# Altium PCB IDC_MCX_Adapter_flex.PCBDOC (part 1 of 4) (continued)
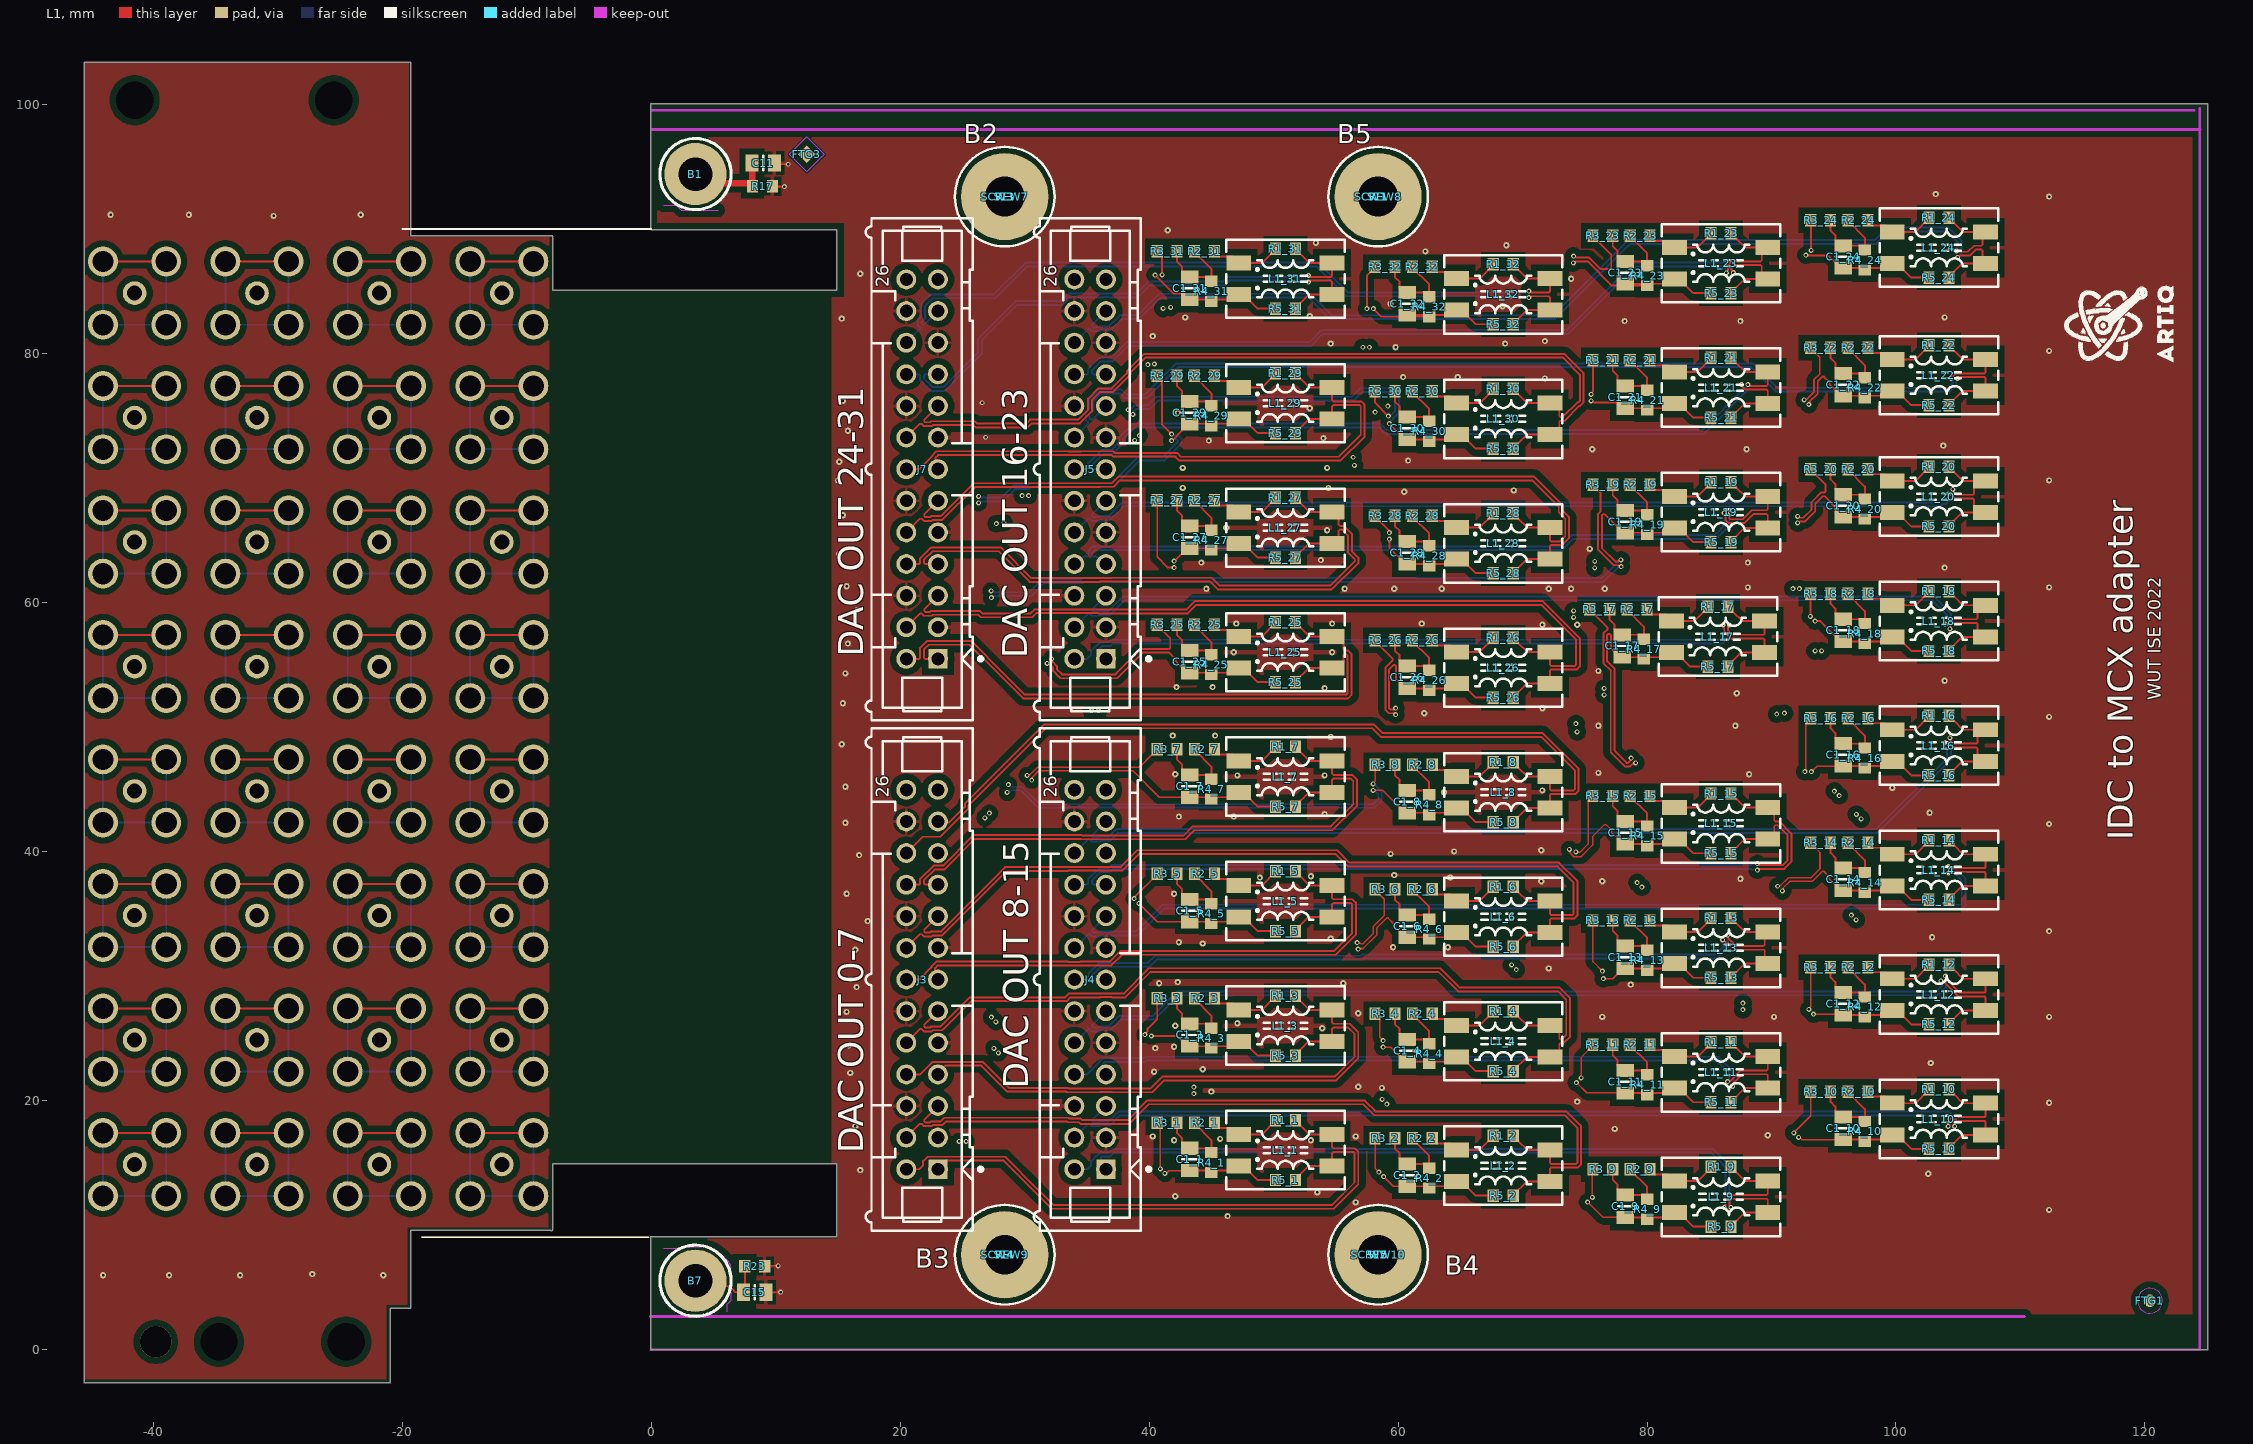
[diagram p0: L1 view]
## Design rules (kind name [scope] priority, off if disabled: settings)
AcuteAngle [All] p1: minimum=4.50000000000000E+0001 checktracksonly=FALSE
Clearance Clearance_diff [(InDifferentialPairClass('All Differential Pairs')) vs (InDifferentialPairClass('All Differential Pairs'))] p1: gap=0.254 ignorepadtopadclearanceinfootprint=FALSE
Clearance [All] p2: gap=0.127 ignorepadtopadclearanceinfootprint=FALSE except(0: Arc-Hole Track-Hole SMDPad-Hole THPad-Hole Via-Hole Fill-Hole Poly-Hole Region-Hole Text-Hole; 0.5: Arc-Poly Track-Poly SMDPad-Poly THPad-Poly Via-Poly Fill-Poly Poly-Poly)
ComponentClearance [All] p1: gap=0.025 collisioncheckmode=3 verticalgap=0.025 showdistances=FALSE
DiffPairsRouting [All] p1: maxlimit=0.152 minlimit=0.127 mostfreqgap=0.152 toplayer_minwidth=0.127 toplayer_maxwidth=0.152 toplayer_prefwidth=0.152 midlayer1_minwidth=0.127 midlayer1_maxwidth=0.152 midlayer1_prefwidth=0.152 midlayer2_minwidth=0.127 midlayer2_maxwidth=0.152 midlayer2_prefwidth=0.152 bottomlayer_minwidth=0.127 bottomlayer_maxwidth=0.152 bottomlayer_prefwidth=0.152 substack1={88852237-8349-4B0E-A64B-F6C4E37CD660} toplayer_{88852237-8349-4b0e-a64b-f6c4e37cd660}_minwidth=0.381 toplayer_{88852237-8349-4b0e-a64b-f6c4e37cd660}_maxwidth=0.381 toplayer_{88852237-8349-4b0e-a64b-f6c4e37cd660}_prefwidth=0.381 midlayer1_{88852237-8349-4b0e-a64b-f6c4e37cd660}_minwidth=0.127 midlayer1_{88852237-8349-4b0e-a64b-f6c4e37cd660}_maxwidth=0.127 midlayer1_{88852237-8349-4b0e-a64b-f6c4e37cd660}_prefwidth=0.127 midlayer2_{88852237-8349-4b0e-a64b-f6c4e37cd660}_minwidth=0.127 midlayer2_{88852237-8349-4b0e-a64b-f6c4e37cd660}_maxwidth=0.127 midlayer2_{88852237-8349-4b0e-a64b-f6c4e37cd660}_prefwidth=0.127 bottomlayer_{88852237-8349-4b0e-a64b-f6c4e37cd660}_minwidth=0.381 bottomlayer_{88852237-8349-4b0e-a64b-f6c4e37cd660}_maxwidth=0.381 bottomlayer_{88852237-8349-4b0e-a64b-f6c4e37cd660}_prefwidth=0.381 filterlayerstackid={88852237-8349-4B0E-A64B-F6C4E37CD660} maxuncoupledlength=12.7
FabricationTestPointUsage TestPointUsage [All] p1: valid=0 allowmultiple=FALSE
FabricationTestpoint Testpoint [All] p1: side=3 testpointundercomponent=TRUE minsize=1.016 maxsize=2.54 preferedsize=1.524 minholesize=0.508 maxholesize=1.016 preferedholesize=0.813 testpointgrid=0.025 allowsidetop=TRUE allowsidebottom=TRUE usegrid=TRUE gridtolerance=0
Height [All] p1: minheight=0 maxheight=40 prefheight=40
HoleSize [All] p1: absolutevalues=TRUE maxlimit=3.81 minlimit=0.025 maxpercent=80.000 minpercent=20.000
HoleToHoleClearance [All] p1: gap=0.025 allowstackedmicrovias=TRUE
MinimumSolderMaskSliver [All] p1: minsoldermaskwidth=0.025
NetAntennae [All] p1: netantennaetolerance=0.025
PlaneClearance [All] p1: clearance=0.2
PlaneConnect [All] p1: planeconnectstyle=Direct reliefexpansion=0.508 reliefentries=4 reliefconductorwidth=0.254 reliefairgap=0.254
PolygonConnect PolygonConnect_pad [(InPadClass('All Pads'))] p1: connectstyle=Relief reliefconductorwidth=0.254 reliefentries=4 polygonreliefangle="90 Angle" airgapwidth=0.254
PolygonConnect [All] p2: connectstyle=Direct reliefconductorwidth=0.254 reliefentries=4 polygonreliefangle="45 Angle" airgapwidth=0.254
RoomDefinition U_IDC_MCX_Adapter_Front [InComponentClass('U_IDC_MCX_Adapter_Front')] p1: confinementstyle=ConfineIn formatcopy=TRUE lockcomponents=FALSE outline -101.6,-152.4 -50.8,-152.4 -50.8,-127 -101.6,-127
RoomDefinition U_RLC_filter1 [InComponentClass('U_RLC_filter1')] p2: confinementstyle=ConfineIn formatcopy=TRUE lockcomponents=FALSE outline 40,12.5 56.5,12.5 56.5,19.5 40,19.5
RoomDefinition U_RLC_filter32 [InComponentClass('U_RLC_filter32')] p3: confinementstyle=ConfineIn formatcopy=TRUE lockcomponents=FALSE outline 57.5,81.25 74,81.25 74,88.25 57.5,88.25
RoomDefinition U_RLC_filter31 [InComponentClass('U_RLC_filter31')] p4: confinementstyle=ConfineIn formatcopy=TRUE lockcomponents=FALSE outline 40,82.5 56.5,82.5 56.5,89.5 40,89.5
RoomDefinition U_RLC_filter30 [InComponentClass('U_RLC_filter30')] p5: confinementstyle=ConfineIn formatcopy=TRUE lockcomponents=FALSE outline 57.5,71.25 74,71.25 74,78.25 57.5,78.25
RoomDefinition U_RLC_filter29 [InComponentClass('U_RLC_filter29')] p6: confinementstyle=ConfineIn formatcopy=TRUE lockcomponents=FALSE outline 40,72.5 56.5,72.5 56.5,79.5 40,79.5
RoomDefinition U_RLC_filter28 [InComponentClass('U_RLC_filter28')] p7: confinementstyle=ConfineIn formatcopy=TRUE lockcomponents=FALSE outline 57.5,61.25 74,61.25 74,68.25 57.5,68.25
RoomDefinition U_RLC_filter27 [InComponentClass('U_RLC_filter27')] p8: confinementstyle=ConfineIn formatcopy=TRUE lockcomponents=FALSE outline 40,62.5 56.5,62.5 56.5,69.5 40,69.5
RoomDefinition U_RLC_filter26 [InComponentClass('U_RLC_filter26')] p9: confinementstyle=ConfineIn formatcopy=TRUE lockcomponents=FALSE outline 57.5,51.25 74,51.25 74,58.25 57.5,58.25
RoomDefinition U_RLC_filter25 [InComponentClass('U_RLC_filter25')] p10: confinementstyle=ConfineIn formatcopy=TRUE lockcomponents=FALSE outline 40,52.5 56.5,52.5 56.5,59.5 40,59.5
RoomDefinition U_RLC_filter24 [InComponentClass('U_RLC_filter24')] p11: confinementstyle=ConfineIn formatcopy=TRUE lockcomponents=FALSE outline 92.5,85 109,85 109,92 92.5,92
RoomDefinition U_RLC_filter23 [InComponentClass('U_RLC_filter23')] p12: confinementstyle=ConfineIn formatcopy=TRUE lockcomponents=FALSE outline 75,83.75 91.5,83.75 91.5,90.75 75,90.75
RoomDefinition U_RLC_filter22 [InComponentClass('U_RLC_filter22')] p13: confinementstyle=ConfineIn formatcopy=TRUE lockcomponents=FALSE outline 92.5,74.75 109,74.75 109,81.75 92.5,81.75
RoomDefinition U_RLC_filter21 [InComponentClass('U_RLC_filter21')] p14: confinementstyle=ConfineIn formatcopy=TRUE lockcomponents=FALSE outline 75,73.75 91.5,73.75 91.5,80.75 75,80.75
RoomDefinition U_RLC_filter20 [InComponentClass('U_RLC_filter20')] p15: confinementstyle=ConfineIn formatcopy=TRUE lockcomponents=FALSE outline 92.5,65 109,65 109,72 92.5,72
RoomDefinition U_RLC_filter19 [InComponentClass('U_RLC_filter19')] p16: confinementstyle=ConfineIn formatcopy=TRUE lockcomponents=FALSE outline 75,63.75 91.5,63.75 91.5,70.75 75,70.75
RoomDefinition U_RLC_filter18 [InComponentClass('U_RLC_filter18')] p17: confinementstyle=ConfineIn formatcopy=TRUE lockcomponents=FALSE outline 92.5,55 109,55 109,62 92.5,62
RoomDefinition U_RLC_filter17 [InComponentClass('U_RLC_filter17')] p18: confinementstyle=ConfineIn formatcopy=TRUE lockcomponents=FALSE outline 74.75,53.75 91.25,53.75 91.25,60.75 74.75,60.75
RoomDefinition U_RLC_filter16 [InComponentClass('U_RLC_filter16')] p19: confinementstyle=ConfineIn formatcopy=TRUE lockcomponents=FALSE outline 92.5,45 109,45 109,52 92.5,52
RoomDefinition U_RLC_filter15 [InComponentClass('U_RLC_filter15')] p20: confinementstyle=ConfineIn formatcopy=TRUE lockcomponents=FALSE outline 75,38.75 91.5,38.75 91.5,45.75 75,45.75
RoomDefinition U_RLC_filter14 [InComponentClass('U_RLC_filter14')] p21: confinementstyle=ConfineIn formatcopy=TRUE lockcomponents=FALSE outline 92.5,35 109,35 109,42 92.5,42
RoomDefinition U_RLC_filter13 [InComponentClass('U_RLC_filter13')] p22: confinementstyle=ConfineIn formatcopy=TRUE lockcomponents=FALSE outline 75,28.75 91.5,28.75 91.5,35.75 75,35.75
RoomDefinition U_RLC_filter12 [InComponentClass('U_RLC_filter12')] p23: confinementstyle=ConfineIn formatcopy=TRUE lockcomponents=FALSE outline 92.5,25 109,25 109,32 92.5,32
RoomDefinition U_RLC_filter11 [InComponentClass('U_RLC_filter11')] p24: confinementstyle=ConfineIn formatcopy=TRUE lockcomponents=FALSE outline 75,18.75 91.5,18.75 91.5,25.75 75,25.75
RoomDefinition U_RLC_filter10 [InComponentClass('U_RLC_filter10')] p25: confinementstyle=ConfineIn formatcopy=TRUE lockcomponents=FALSE outline 92.5,15 109,15 109,22 92.5,22
RoomDefinition U_RLC_filter9 [InComponentClass('U_RLC_filter9')] p26: confinementstyle=ConfineIn formatcopy=TRUE lockcomponents=FALSE outline 75,8.75 91.5,8.75 91.5,15.75 75,15.75
RoomDefinition U_RLC_filter8 [InComponentClass('U_RLC_filter8')] p27: confinementstyle=ConfineIn formatcopy=TRUE lockcomponents=FALSE outline 57.5,41.25 74,41.25 74,48.25 57.5,48.25
RoomDefinition U_RLC_filter7 [InComponentClass('U_RLC_filter7')] p28: confinementstyle=ConfineIn formatcopy=TRUE lockcomponents=FALSE outline 40,42.5 56.5,42.5 56.5,49.5 40,49.5
RoomDefinition U_RLC_filter6 [InComponentClass('U_RLC_filter6')] p29: confinementstyle=ConfineIn formatcopy=TRUE lockcomponents=FALSE outline 57.5,31.25 74,31.25 74,38.25 57.5,38.25
RoomDefinition U_RLC_filter5 [InComponentClass('U_RLC_filter5')] p30: confinementstyle=ConfineIn formatcopy=TRUE lockcomponents=FALSE outline 40,32.5 56.5,32.5 56.5,39.5 40,39.5
RoomDefinition U_RLC_filter4 [InComponentClass('U_RLC_filter4')] p31: confinementstyle=ConfineIn formatcopy=TRUE lockcomponents=FALSE outline 57.5,21.25 74,21.25 74,28.25 57.5,28.25
RoomDefinition U_RLC_filter3 [InComponentClass('U_RLC_filter3')] p32: confinementstyle=ConfineIn formatcopy=TRUE lockcomponents=FALSE outline 40,22.5 56.5,22.5 56.5,29.5 40,29.5
RoomDefinition U_RLC_filter2 [InComponentClass('U_RLC_filter2')] p33: confinementstyle=ConfineIn formatcopy=TRUE lockcomponents=FALSE outline 57.5,11.25 74,11.25 74,18.25 57.5,18.25
RoomDefinition IDC_MCX_Adapter [InComponentClass('IDC_MCX_Adapter')] p34: confinementstyle=ConfineIn formatcopy=TRUE lockcomponents=FALSE outline 123.75,96.5 116.25,96.5 116.25,89 123.75,89
RoutingVias [All] p1: holewidth=0.2 width=0.5 viastyle="Through Hole" minholewidth=0.2 minwidth=0.4 maxholewidth=0.711 maxwidth=1.27 useviatemplates=TRUE viatemplateguid#1={62D27A32-E5E0-4C62-B1AD-688EFE76AD8F} viatemplateguid#2={20EA8C4D-CFF6-4340-90A9-A1A95BB9AFDD} viatemplatename#1=v40h20m0mx0 viatemplatename#2=v50h20m0mx0
SilkToSilkClearance [All] p1: silktosilkclearance=0.025
SilkToSolderMaskClearance SilkscreenOverComponentPads [IsPad] p1: minsilkscreentomaskgap=0.025 clearancetoexposedcopper=TRUE
SolderMaskExpansion [All] p1: expansion=0.051 istentingtop=FALSE
ViasUnderSMD ViasUnderSMD_allow [HasFootprint('QFN50P300X300X80-17N-S175') or  HasFootprint('SOP50P490X110-11N-R168X198')  or  HasFootprint('SON50P300X300X80-11N-R175X248') or HasFootprint('SON50P200X300X80-11N-R94X250') or HasFootprint('CAPMP3216X180N')   or HasFootprint('SON65P200X200X80-7N-R65X145') or HasFootprint('SON45P300X300X80-13N-R175X248')] p1: allowed=TRUE
ViasUnderSMD [All] p2: allowed=FALSE
Width [All] p1: maxlimit=1.27 minlimit=0.127 preferedwidth=0.127 substack1={88852237-8349-4B0E-A64B-F6C4E37CD660}
17 further rules are at their usual default settings.

## Classes and differential pairs
component class U_IDC_MCX_Adapter_Front: J13 J14 J15 J16 J17 J18 J19 J20 J21 J22 J23 J24 J25 J26 J27 J28 J29 J30 J31 J32 J33 J34 J35 J36 J37 J38 J39 J40 J41 J42 J43 J44 S1 S2 S3 S4
channel class RLC_filter: U_RLC_filter1 U_RLC_filter2 U_RLC_filter3 U_RLC_filter4 U_RLC_filter5 U_RLC_filter6 U_RLC_filter7 U_RLC_filter8 U_RLC_filter9 U_RLC_filter10 U_RLC_filter11 U_RLC_filter12 U_RLC_filter13 U_RLC_filter14 U_RLC_filter15 U_RLC_filter16 U_RLC_filter17 U_RLC_filter18 U_RLC_filter19 U_RLC_filter20 U_RLC_filter21 U_RLC_filter22 U_RLC_filter23 U_RLC_filter24 U_RLC_filter25 U_RLC_filter26 U_RLC_filter27 U_RLC_filter28 U_RLC_filter29 U_RLC_filter30 U_RLC_filter31 U_RLC_filter32
net class OUT_P[32..1]: OUT_P1 OUT_P2 OUT_P3 OUT_P4 OUT_P5 OUT_P6 OUT_P7 OUT_P8 OUT_P9 OUT_P10 OUT_P11 OUT_P12 OUT_P13 OUT_P14 OUT_P15 OUT_P16 OUT_P17 OUT_P18 OUT_P19 OUT_P20 OUT_P21 OUT_P22 OUT_P23 OUT_P24 OUT_P25 OUT_P26 OUT_P27 OUT_P28 OUT_P29 OUT_P30 OUT_P31 OUT_P32
net class OUT_N[32..1]: OUT_N1 OUT_N2 OUT_N3 OUT_N4 OUT_N5 OUT_N6 OUT_N7 OUT_N8 OUT_N9 OUT_N10 OUT_N11 OUT_N12 OUT_N13 OUT_N14 OUT_N15 OUT_N16 OUT_N17 OUT_N18 OUT_N19 OUT_N20 OUT_N21 OUT_N22 OUT_N23 OUT_N24 OUT_N25 OUT_N26 OUT_N27 OUT_N28 OUT_N29 OUT_N30 OUT_N31 OUT_N32
net class IN_P[32..1]: IN_P1 IN_P2 IN_P3 IN_P4 IN_P5 IN_P6 IN_P7 IN_P8 IN_P9 IN_P10 IN_P11 IN_P12 IN_P13 IN_P14 IN_P15 IN_P16 IN_P17 IN_P18 IN_P19 IN_P20 IN_P21 IN_P22 IN_P23 IN_P24 IN_P25 IN_P26 IN_P27 IN_P28 IN_P29 IN_P30 IN_P31 IN_P32
net class IN_N[32..1]: IN_N1 IN_N2 IN_N3 IN_N4 IN_N5 IN_N6 IN_N7 IN_N8 IN_N9 IN_N10 IN_N11 IN_N12 IN_N13 IN_N14 IN_N15 IN_N16 IN_N17 IN_N18 IN_N19 IN_N20 IN_N21 IN_N22 IN_N23 IN_N24 IN_N25 IN_N26 IN_N27 IN_N28 IN_N29 IN_N30 IN_N31 IN_N32
component class U_RLC_filter32: C1_32 L1_32 R1_32 R2_32 R3_32 R4_32 R5_32
component class U_RLC_filter31: C1_31 L1_31 R1_31 R2_31 R3_31 R4_31 R5_31
component class U_RLC_filter30: C1_30 L1_30 R1_30 R2_30 R3_30 R4_30 R5_30
component class U_RLC_filter29: C1_29 L1_29 R1_29 R2_29 R3_29 R4_29 R5_29
component class U_RLC_filter28: C1_28 L1_28 R1_28 R2_28 R3_28 R4_28 R5_28
component class U_RLC_filter27: C1_27 L1_27 R1_27 R2_27 R3_27 R4_27 R5_27
component class U_RLC_filter26: C1_26 L1_26 R1_26 R2_26 R3_26 R4_26 R5_26
component class U_RLC_filter25: C1_25 L1_25 R1_25 R2_25 R3_25 R4_25 R5_25
component class U_RLC_filter24: C1_24 L1_24 R1_24 R2_24 R3_24 R4_24 R5_24
component class U_RLC_filter23: C1_23 L1_23 R1_23 R2_23 R3_23 R4_23 R5_23
component class U_RLC_filter22: C1_22 L1_22 R1_22 R2_22 R3_22 R4_22 R5_22
component class U_RLC_filter21: C1_21 L1_21 R1_21 R2_21 R3_21 R4_21 R5_21
component class U_RLC_filter20: C1_20 L1_20 R1_20 R2_20 R3_20 R4_20 R5_20
component class U_RLC_filter19: C1_19 L1_19 R1_19 R2_19 R3_19 R4_19 R5_19
component class U_RLC_filter18: C1_18 L1_18 R1_18 R2_18 R3_18 R4_18 R5_18
component class U_RLC_filter17: C1_17 L1_17 R1_17 R2_17 R3_17 R4_17 R5_17
component class U_RLC_filter16: C1_16 L1_16 R1_16 R2_16 R3_16 R4_16 R5_16
component class U_RLC_filter15: C1_15 L1_15 R1_15 R2_15 R3_15 R4_15 R5_15
component class U_RLC_filter14: C1_14 L1_14 R1_14 R2_14 R3_14 R4_14 R5_14
component class U_RLC_filter13: C1_13 L1_13 R1_13 R2_13 R3_13 R4_13 R5_13
component class U_RLC_filter12: C1_12 L1_12 R1_12 R2_12 R3_12 R4_12 R5_12
component class U_RLC_filter11: C1_11 L1_11 R1_11 R2_11 R3_11 R4_11 R5_11
component class U_RLC_filter10: C1_10 L1_10 R1_10 R2_10 R3_10 R4_10 R5_10
component class U_RLC_filter9: C1_9 L1_9 R1_9 R2_9 R3_9 R4_9 R5_9
component class U_RLC_filter8: C1_8 L1_8 R1_8 R2_8 R3_8 R4_8 R5_8
component class U_RLC_filter7: C1_7 L1_7 R1_7 R2_7 R3_7 R4_7 R5_7
component class U_RLC_filter6: C1_6 L1_6 R1_6 R2_6 R3_6 R4_6 R5_6
component class U_RLC_filter5: C1_5 L1_5 R1_5 R2_5 R3_5 R4_5 R5_5
component class U_RLC_filter4: C1_4 L1_4 R1_4 R2_4 R3_4 R4_4 R5_4
component class U_RLC_filter3: C1_3 L1_3 R1_3 R2_3 R3_3 R4_3 R5_3
component class U_RLC_filter2: C1_2 L1_2 R1_2 R2_2 R3_2 R4_2 R5_2
component class U_RLC_filter1: C1_1 L1_1 R1_1 R2_1 R3_1 R4_1 R5_1
component class IDC_MCX_Adapter: B1 B2 B3 B4 B5 B7 B? C11 C15 FTG1 FTG2 FTG3 FTG4 J2 J3 J4 J5 J6 J7 J8 J9 R17 R23 SCREW3 SCREW4 SCREW5 SCREW6 SCREW7 SCREW8 SCREW9 SCREW10 ST1 ST3 ST4 ST5 W1 W2 W3 W4
differential pair IN32: +IN_P32 -IN_N32
differential pair IN31: +IN_P31 -IN_N31
differential pair IN30: +IN_P30 -IN_N30
differential pair IN29: +IN_P29 -IN_N29
differential pair IN28: +IN_P28 -IN_N28
differential pair IN27: +IN_P27 -IN_N27
differential pair IN26: +IN_P26 -IN_N26
differential pair IN25: +IN_P25 -IN_N25
differential pair IN24: +IN_P24 -IN_N24
differential pair IN23: +IN_P23 -IN_N23
differential pair IN22: +IN_P22 -IN_N22
differential pair IN21: +IN_P21 -IN_N21
differential pair IN20: +IN_P20 -IN_N20
differential pair IN19: +IN_P19 -IN_N19
differential pair IN18: +IN_P18 -IN_N18
differential pair IN17: +IN_P17 -IN_N17
differential pair IN16: +IN_P16 -IN_N16
differential pair IN15: +IN_P15 -IN_N15
differential pair IN14: +IN_P14 -IN_N14
differential pair IN13: +IN_P13 -IN_N13
differential pair IN12: +IN_P12 -IN_N12
differential pair IN11: +IN_P11 -IN_N11
differential pair IN10: +IN_P10 -IN_N10
differential pair IN9: +IN_P9 -IN_N9
differential pair IN8: +IN_P8 -IN_N8
differential pair IN7: +IN_P7 -IN_N7
differential pair IN6: +IN_P6 -IN_N6
differential pair IN5: +IN_P5 -IN_N5
differential pair IN4: +IN_P4 -IN_N4
differential pair IN3: +IN_P3 -IN_N3
differential pair IN2: +IN_P2 -IN_N2
differential pair IN1: +IN_P1 -IN_N1
differential pair OUT32: +OUT_P32 -OUT_N32
differential pair OUT31: +OUT_P31 -OUT_N31
differential pair OUT30: +OUT_P30 -OUT_N30
differential pair OUT29: +OUT_P29 -OUT_N29
differential pair OUT28: +OUT_P28 -OUT_N28
differential pair OUT27: +OUT_P27 -OUT_N27
differential pair OUT26: +OUT_P26 -OUT_N26
differential pair OUT25: +OUT_P25 -OUT_N25
differential pair OUT24: +OUT_P24 -OUT_N24
differential pair OUT23: +OUT_P23 -OUT_N23
differential pair OUT22: +OUT_P22 -OUT_N22
differential pair OUT21: +OUT_P21 -OUT_N21
differential pair OUT20: +OUT_P20 -OUT_N20
differential pair OUT19: +OUT_P19 -OUT_N19
differential pair OUT18: +OUT_P18 -OUT_N18
differential pair OUT17: +OUT_P17 -OUT_N17
differential pair OUT16: +OUT_P16 -OUT_N16
differential pair OUT15: +OUT_P15 -OUT_N15
differential pair OUT14: +OUT_P14 -OUT_N14
differential pair OUT13: +OUT_P13 -OUT_N13
differential pair OUT12: +OUT_P12 -OUT_N12
differential pair OUT11: +OUT_P11 -OUT_N11
differential pair OUT10: +OUT_P10 -OUT_N10
differential pair OUT9: +OUT_P9 -OUT_N9
differential pair OUT8: +OUT_P8 -OUT_N8
differential pair OUT7: +OUT_P7 -OUT_N7
differential pair OUT6: +OUT_P6 -OUT_N6
differential pair OUT5: +OUT_P5 -OUT_N5
differential pair OUT4: +OUT_P4 -OUT_N4
differential pair OUT3: +OUT_P3 -OUT_N3
differential pair OUT2: +OUT_P2 -OUT_N2
differential pair OUT1: +OUT_P1 -OUT_N1

## Components (designator, comment, footprint, x,y, rotation, side; value= is the part's Value field where it differs from the comment)
B1 "Plated Hole" MTG270_500 3.556,94.412 r0 top locked
B2 "Plated Hole" MTG320_700 28.4,92.6 r0 top
B3 "Plated Hole" MTG320_700 28.4,7.6 r0 top
B4 "Plated Hole" MTG320_700 58.4,7.6 r0 top
B5 "Plated Hole" MTG320_700 58.4,92.6 r0 top
B7 "Plated Hole" MTG270_500 3.556,5.512 r0 top locked
C1_1 "Undefined" CAPC2012X135N 43.25,15.25 r90 top (schematic designator C1)
C1_2 "Undefined" CAPC2012X135N 60.75,14 r90 top (schematic designator C1)
C1_3 "Undefined" CAPC2012X135N 43.25,25.25 r90 top (schematic designator C1)
C1_4 "Undefined" CAPC2012X135N 60.75,24 r90 top (schematic designator C1)
C1_5 "Undefined" CAPC2012X135N 43.25,35.25 r90 top (schematic designator C1)
C1_6 "Undefined" CAPC2012X135N 60.75,34 r90 top (schematic designator C1)
C1_7 "Undefined" CAPC2012X135N 43.25,45.25 r90 top (schematic designator C1)
C1_8 "Undefined" CAPC2012X135N 60.75,44 r90 top (schematic designator C1)
C1_9 "Undefined" CAPC2012X135N 78.25,11.5 r90 top (schematic designator C1)
C1_10 "Undefined" CAPC2012X135N 95.75,17.75 r90 top (schematic designator C1)
C1_11 "Undefined" CAPC2012X135N 78.25,21.5 r90 top (schematic designator C1)
C1_12 "Undefined" CAPC2012X135N 95.75,27.75 r90 top (schematic designator C1)
C1_13 "Undefined" CAPC2012X135N 78.25,31.5 r90 top (schematic designator C1)
C1_14 "Undefined" CAPC2012X135N 95.75,37.75 r90 top (schematic designator C1)
C1_15 "Undefined" CAPC2012X135N 78.25,41.5 r90 top (schematic designator C1)
C1_16 "Undefined" CAPC2012X135N 95.75,47.75 r90 top (schematic designator C1)
C1_17 "Undefined" CAPC2012X135N 78,56.5 r90 top (schematic designator C1)
C1_18 "Undefined" CAPC2012X135N 95.75,57.75 r90 top (schematic designator C1)
C1_19 "Undefined" CAPC2012X135N 78.25,66.5 r90 top (schematic designator C1)
C1_20 "Undefined" CAPC2012X135N 95.75,67.75 r90 top (schematic designator C1)
C1_21 "Undefined" CAPC2012X135N 78.25,76.5 r90 top (schematic designator C1)
C1_22 "Undefined" CAPC2012X135N 95.75,77.5 r90 top (schematic designator C1)
C1_23 "Undefined" CAPC2012X135N 78.25,86.5 r90 top (schematic designator C1)
C1_24 "Undefined" CAPC2012X135N 95.75,87.75 r90 top (schematic designator C1)
C1_25 "Undefined" CAPC2012X135N 43.25,55.25 r90 top (schematic designator C1)
C1_26 "Undefined" CAPC2012X135N 60.75,54 r90 top (schematic designator C1)
C1_27 "Undefined" CAPC2012X135N 43.25,65.25 r90 top (schematic designator C1)
C1_28 "Undefined" CAPC2012X135N 60.75,64 r90 top (schematic designator C1)
C1_29 "Undefined" CAPC2012X135N 43.25,75.25 r90 top (schematic designator C1)
C1_30 "Undefined" CAPC2012X135N 60.75,74 r90 top (schematic designator C1)
C1_31 "Undefined" CAPC2012X135N 43.25,85.25 r90 top (schematic designator C1)
C1_32 "Undefined" CAPC2012X135N 60.75,84 r90 top (schematic designator C1)
C11 "Undefined" CAPC2012X135N 9,95.3 r0 top
C15 "Undefined" CAPC2012X135N 8.324,4.581 r0 top
FTG1 "Use only in PCB" FIDUCIAL_TOP_C100-200 120.4,3.9 r90 top
FTG2 "Use only in PCB" FIDUCIAL_TOP_S100-200 12.5,96 r90 bottom
FTG3 "Use only in PCB" FIDUCIAL_TOP_S100-200 12.5,96 r90 top